# Altium PCB uTCA_MCH_PCB3.pcbdoc (part 13 of 25)
Units mil, origin at the board's own origin, x right, y up, seen from the top; angles counter-clockwise.
Board outline 7110.66 x 2894.12 mil, 12 copper layers (Top Layer, GND1, MidLayer1, PWR1, MidLayer2, GND2, PWR2, MidLayer3, GND3, MidLayer4, PWR3, Bottom Layer), stack 63.15 mil thick; 767 components, 905 nets, 4553 pads, 2832 vias.
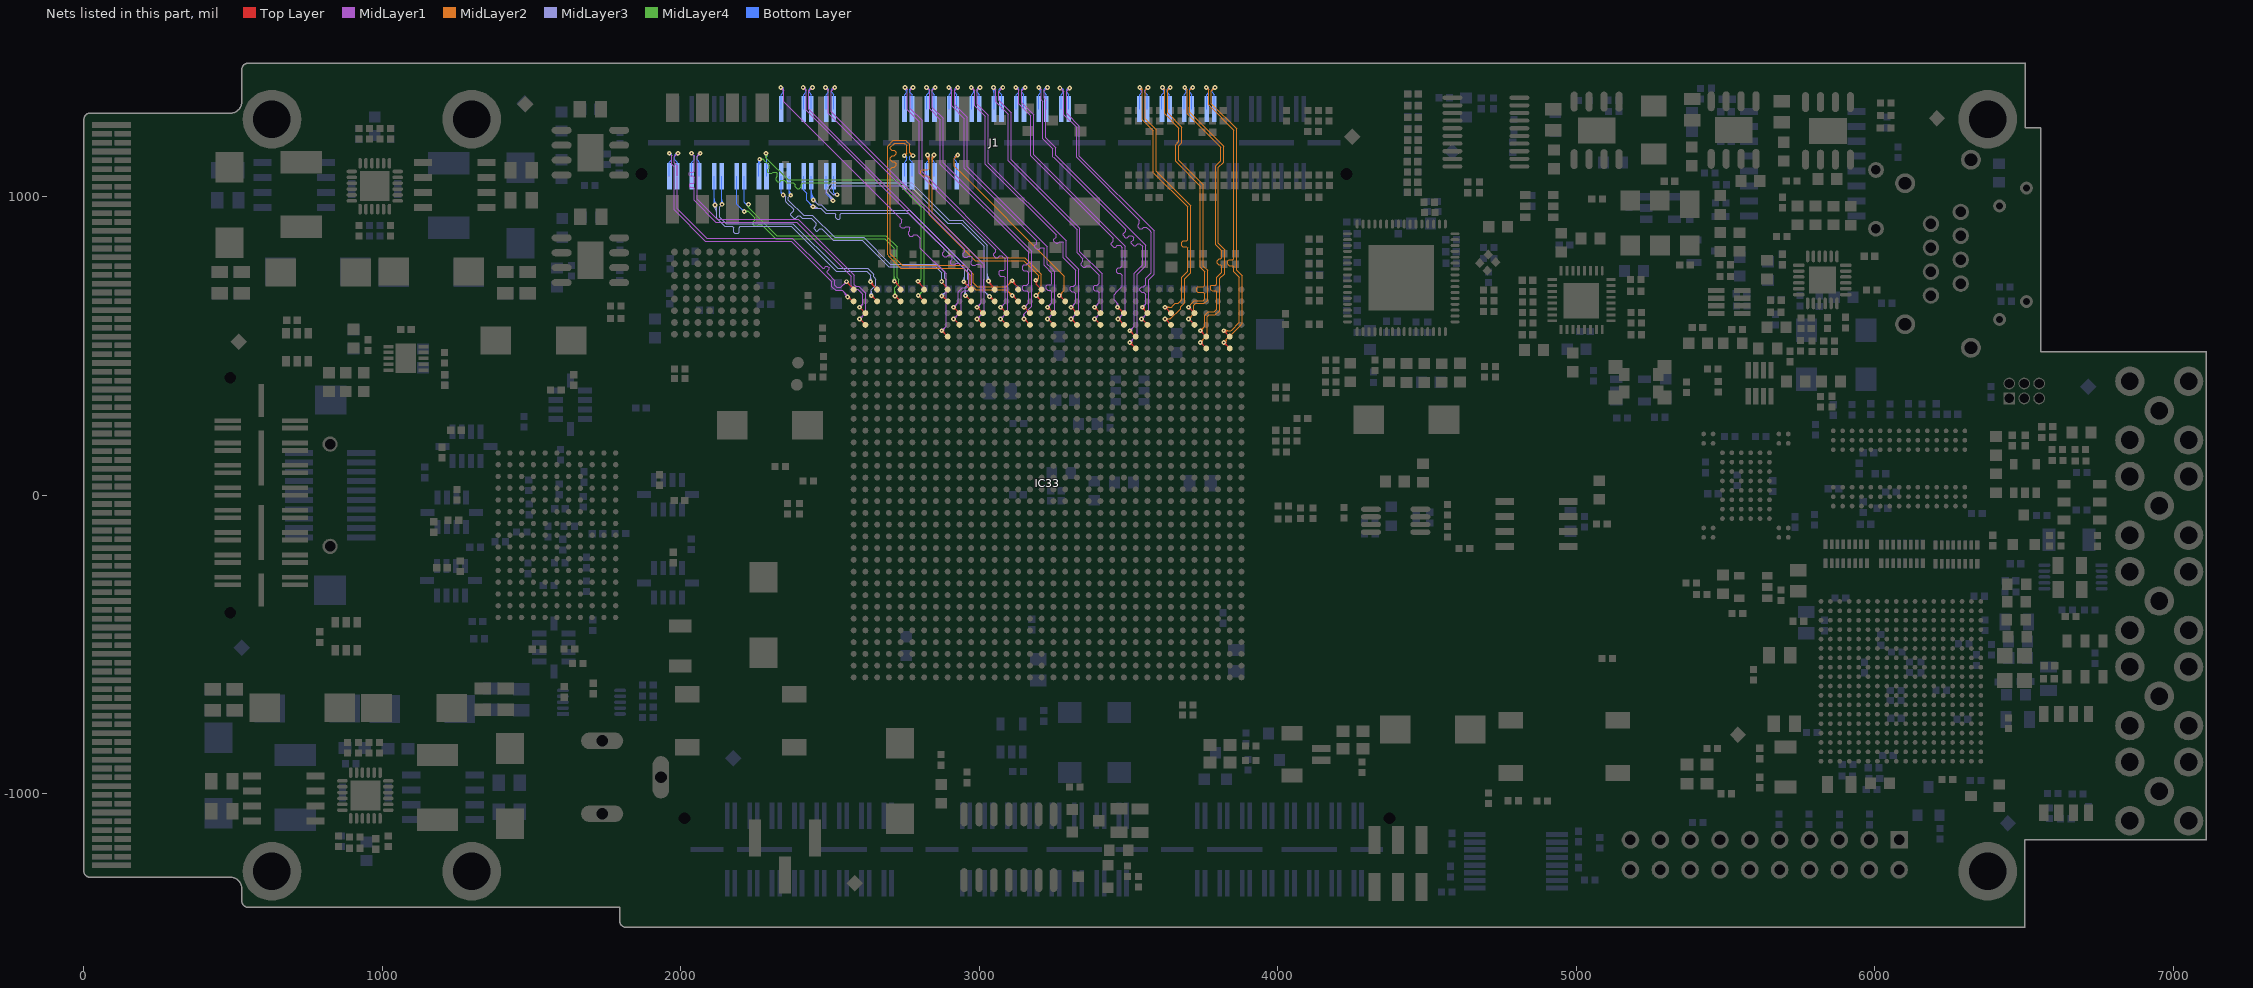
[diagram p23: the nets of this part, all layers, seen from the top]

## Via types
v1: diameter 15.75, hole 5.91, Top Layer to Bottom Layer, tented both sides, 2480 vias
v2: diameter 23.62, hole 11.81, Top Layer to Bottom Layer, tented both sides, 325 vias
v3: diameter 20, hole 10, Top Layer to Bottom Layer, tented both sides, 16 vias
v4: diameter 15.75, hole 7.87, Top Layer to Bottom Layer, tented both sides, 9 vias
v5: diameter 23.62, hole 11.81, Top Layer to Bottom Layer, 1 vias
v6: diameter 15.75, hole 5.91, Top Layer to Bottom Layer, 1 vias

## Nets (pads, with @x,y where several pads share a name; then routed paths per layer and width w, separated by ;. In a path a pad name is that pad's centre, name@x,y a point inside that pad or via, vN(x,y) a via of type N, cw(c..) or ccw(c..) an arc to the next point about the centre after c; other vN are vias at no path point) (continued)
MGTRX113_1_P: IC33.AF5 J1.21 | length 1283.8
  Top Layer w3.94: v1@2874.02,545.28 cw(c2874.02,531.02) 2884.1,541.1 cw(c2894.18,551.18) v1@2879.92,551.18 ; v1(2874.02,551.18) IC33.AF5@2893.7,531.5
  MidLayer1 w3.54: v1(2334.64,1366.14) 2344.58,1356.2 ; v1@2334.85,1360.04 cw(c2335.3,1346.92) 2344.58,1356.2 ; v1@2340.74,1365.93 ccw(c2353.86,1365.48) 2344.58,1356.2 ; v1(2874.02,551.18) 2888.34,565.51 2888.34,741.37 2802.41,827.3 2802.41,860.79 2792.48,870.72 2790.43,872.77 2780.88,872.77 2776.51,868.4 2766.96,868.4 2762.87,872.49 2762.87,882.04 2767.24,886.41 2767.24,895.96 2763.15,900.05 2753.6,900.05 2749.23,895.68 2739.68,895.68 2735.59,899.77 2735.59,909.32 2739.96,913.69 2739.96,923.24 2738.19,925.01 2344.58,1318.62 2344.58,1356.2 ; v1@2874.02,557.28 ccw(c2874.02,572.02) 2884.43,561.6 ccw(c2894.85,551.18) v1@2880.12,551.18
  Bottom Layer w3.94: v1(2334.64,1366.14) 2338.33,1366.14 2343.74,1360.73 ; J1.21@2336.61,1293.9 2336.61,1342.2 2343.74,1349.33 2343.74,1360.73 ; v1@2337.98,1361.26 cw(c2340.54,1357.52) 2343.74,1360.73 ; v1@2340.55,1366.14 ccw(c2345.89,1366.14) 2342.11,1362.36
MGTRX113_2_N: IC33.AE4 J1.27 | length 1236.2
  Top Layer w3.94: v1@2913.39,584.65 cw(c2913.39,570.39) 2923.47,580.47 cw(c2933.55,590.55) v1@2919.29,590.55 ; v1(2913.39,590.55) IC33.AE4@2933.07,570.87
  MidLayer1 w3.54: v1@2434.84,1366.14 cw(c2420.11,1366.14) 2430.52,1355.72 cw(c2440.94,1345.3) v1@2440.94,1360.04 ; v1(2440.94,1366.14) 2429.2,1354.4 2429.2,1293.55 2971.92,750.83 2974.8,747.95 2974.8,698.31 2971.92,695.43 2961.84,685.35 2947.52,685.35 2939.1,676.93 2939.1,616.27 v1(2913.39,590.55) ; v1@2913.39,596.65 ccw(c2913.39,611.39) 2923.8,600.97 ccw(c2934.22,590.55) v1@2919.49,590.55
  Bottom Layer w3.94: 2432.91,1364 cw(c2436.67,1360.23) v1@2439.79,1364.54 ; J1.27@2436.77,1293.9 2436.77,1342.2 2429.64,1349.33 2429.64,1360.73 ; v1@2437.48,1361.35 ccw(c2433.93,1356.44) 2429.64,1360.73 ; v1(2440.94,1366.14) 2435.06,1366.14 2429.64,1360.73
MGTRX113_2_P: IC33.AE3 J1.25 | length 1229.6
  Top Layer w3.94: v1@2913.39,624.02 cw(c2913.39,609.76) 2923.47,619.84 cw(c2933.55,629.92) v1@2919.29,629.92 ; v1(2913.39,629.92) IC33.AE3@2933.07,610.24
  MidLayer1 w3.54: v1(2409.44,1366.14) 2419.36,1356.23 ; v1@2409.66,1360.04 cw(c2410.13,1347) 2419.36,1356.23 ; v1@2415.54,1365.92 ccw(c2428.59,1365.46) 2419.36,1356.23 ; v1(2913.39,629.92) 2929.26,645.8 2929.26,681.01 2943.44,695.19 2957.76,695.19 2964.96,702.39 2964.96,743.87 2934.28,774.55 2932.24,776.59 2922.69,776.59 2918.32,772.22 2908.77,772.22 2904.68,776.31 2904.68,785.86 2909.05,790.23 2909.05,799.78 2904.96,803.87 2895.41,803.87 2891.04,799.5 2881.49,799.5 2877.4,803.59 2877.4,813.14 2881.77,817.51 2881.77,827.06 2879.57,829.26 2419.36,1289.47 2419.36,1356.23 ; v1@2913.39,636.02 ccw(c2913.39,650.76) 2923.8,640.34 ccw(c2934.22,629.92) v1@2919.49,629.92
  Bottom Layer w3.94: v1(2409.44,1366.14) 2413.29,1366.14 2418.7,1360.73 ; J1.25@2411.57,1293.9 2411.57,1342.2 2418.7,1349.33 2418.7,1360.73 ; v1@2412.79,1361.27 cw(c2415.42,1357.44) 2418.7,1360.73 ; v1@2415.35,1366.14 ccw(c2420.31,1366.14) 2416.8,1362.63
MGTRX113_3_N: IC33.AC4 J1.31 | length 1198.3
  Top Layer w3.94: v1@2992.13,584.65 cw(c2992.13,570.39) 3002.21,580.47 cw(c3012.29,590.55) v1@2998.03,590.55 ; v1(2992.13,590.55) IC33.AC4@3011.81,570.87
  MidLayer1 w3.54: v1@2509.64,1366.14 cw(c2494.91,1366.14) 2505.33,1355.72 cw(c2515.74,1345.3) v1@2515.74,1360.04 ; v1(2515.74,1366.14) 2504.2,1354.6 2504.2,1284.02 3016.72,771.5 3016.72,615.15 v1(2992.13,590.55) ; v1@2992.13,596.65 ccw(c2992.13,611.39) 3002.54,600.97 ccw(c3012.96,590.55) v1@2998.23,590.55
  Bottom Layer w3.94: 2507.87,1364 cw(c2511.55,1360.32) v1@2514.59,1364.54 ; J1.31@2511.73,1293.9 2511.73,1342.2 2504.6,1349.33 2504.6,1360.73 ; v1@2512.29,1361.35 ccw(c2508.81,1356.52) 2504.6,1360.73 ; v1(2515.74,1366.14) 2510.02,1366.14 2504.6,1360.73
MGTRX113_3_P: IC33.AC3 J1.29 | length 1193.9
  Top Layer w3.94: v1@2992.13,624.02 cw(c2992.13,609.76) 3002.21,619.84 cw(c3012.29,629.92) v1@2998.03,629.92 ; v1(2992.13,629.92) IC33.AC3@3011.81,610.24
  MidLayer1 w3.54: v1(2484.25,1366.14) 2494.36,1356.03 ; v1@2484.38,1360.04 cw(c2484.67,1346.34) 2494.36,1356.03 ; v1@2490.35,1366.01 ccw(c2504.04,1365.72) 2494.36,1356.03 ; v1(2992.13,629.92) 3006.88,644.68 3006.88,767.42 3002.18,772.12 3000.13,774.17 2990.58,774.17 2986.21,769.8 2976.66,769.8 2972.57,773.89 2972.57,783.44 2976.94,787.81 2976.94,797.36 2972.85,801.45 2963.3,801.45 2958.93,797.08 2949.38,797.08 2945.29,801.17 2945.29,810.72 2950.71,816.15 2950.71,823.59 2494.36,1279.94 2494.36,1356.03 ; v1@2992.13,636.02 ccw(c2992.13,650.76) 3002.54,640.34 ccw(c3012.96,629.92) v1@2998.23,629.92
  Bottom Layer w3.94: v1(2484.25,1366.14) 2488.25,1366.14 2493.67,1360.73 ; J1.29@2486.54,1293.9 2486.54,1342.2 2493.67,1349.33 2493.67,1360.73 ; v1@2487.6,1361.28 cw(c2490.3,1357.37) 2493.67,1360.73 ; v1@2490.15,1366.14 ccw(c2494.73,1366.14) 2491.49,1362.9
MGTRX114_0_N: IC33.AA4 J1.35 | length 1105.3
  Top Layer w3.94: v1@3070.87,584.65 cw(c3070.87,570.39) 3080.95,580.47 cw(c3091.03,590.55) v1@3076.77,590.55 ; v1(3070.87,590.55) IC33.AA4@3090.55,570.87
  MidLayer1 w3.54: v1@2771.51,1365.32 cw(c2762.2,1364.07) 2768.84,1357.43 ; v1@2776.74,1360.09 ccw(c2775.48,1350.79) 2768.84,1357.43 ; v1(2777.55,1366.14) 2768.84,1357.43 ; v1(3070.87,590.55) 3095.68,615.37 3095.68,796 2808.37,1083.31 2808.37,1255.65 2768.84,1295.18 2768.84,1357.43 ; v1@3070.87,596.65 ccw(c3070.87,611.39) 3081.28,600.97 ccw(c3091.7,590.55) v1@3076.97,590.55
  Bottom Layer w3.94: v1@2774.15,1361.32 ccw(c2771.06,1356.95) 2767.28,1360.73 ; J1.35@2774.41,1293.9 2774.41,1342.2 2767.28,1349.33 2767.28,1360.73 ; v1(2777.55,1366.14) 2772.7,1366.14 2767.28,1360.73
MGTRX114_0_P: IC33.AA3 J1.33 | length 1132.8
  Top Layer w3.94: v1@3070.87,624.02 cw(c3070.87,609.76) 3080.95,619.84 cw(c3091.03,629.92) v1@3076.77,629.92 ; v1(3070.87,629.92) IC33.AA3@3090.55,610.24
  MidLayer1 w3.54: v1(2750.93,1366.14) 2759,1358.07 ; v1@2752.12,1360.16 cw(c2753.61,1352.69) 2759,1358.07 ; v1@2756.91,1364.95 ccw(c2764.38,1363.46) 2759,1358.07 ; v1(3070.87,629.92) 3085.84,644.9 3085.84,730.35 3081.89,734.3 3070.34,734.3 3066.15,738.49 3066.15,749.84 3069.91,753.59 3081.53,753.59 3085.84,757.9 3085.84,791.92 3075.19,802.57 3068.93,802.57 3061.37,795.01 3054.91,795.01 3047.76,802.16 3047.76,808.68 3054.69,815.61 3054.69,823.07 2798.53,1079.23 2798.53,1251.57 2759,1291.1 2759,1358.07 ; v1@3070.87,636.02 ccw(c3070.87,650.76) 3081.28,640.34 ccw(c3091.7,629.92) v1@3076.97,629.92
  Bottom Layer w3.94: v1@2748.46,1360.78 cw(c2742.8,1348.48) 2756.34,1348.48 ; J1.33@2749.21,1293.9 2749.21,1342.2 2756.34,1349.33 2756.34,1360.73 v1(2750.93,1366.14) ; v1@2750.11,1364.35 cw(c2745.63,1354.62) 2756.34,1354.62
MGTRX114_1_N: IC33.W4 J1.39 | length 1111.3
  Top Layer w3.94: v1@3149.61,584.65 cw(c3149.61,570.39) 3159.69,580.47 cw(c3169.77,590.55) v1@3155.51,590.55 ; v1(3149.61,590.55) IC33.W4@3169.29,570.87
  MidLayer1 w3.54: v1@2846.26,1365.78 cw(c2834.18,1365.08) 2842.74,1356.52 ; v1@2852,1360.05 ccw(c2851.3,1347.97) 2842.74,1356.52 ; v1(2852.36,1366.14) 2842.74,1356.52 ; v1@3145.29,594.87 ccw(c3136,604.16) 3149.14,604.16 ; 3149.14,606.41 ccw(c3165.46,606.41) v1@3153.92,594.87 ; v1(3149.61,590.55) 3149.14,591.02 3149.14,606.67 3174.92,632.45 3174.92,817.37 2878.91,1113.38 2878.91,1262.68 2842.74,1298.85 2842.74,1356.52
  Bottom Layer w3.94: v1@2848.96,1361.31 ccw(c2845.94,1357.03) 2842.24,1360.73 ; J1.39@2849.37,1293.9 2849.37,1342.2 2842.24,1349.33 2842.24,1360.73 ; v1(2852.36,1366.14) 2847.66,1366.14 2842.24,1360.73
MGTRX114_1_P: IC33.W3 J1.37 | length 1125.3
  Top Layer w3.94: v1@3149.61,624.02 cw(c3149.61,609.76) 3159.69,619.84 cw(c3169.77,629.92) v1@3155.51,629.92 ; v1(3149.61,629.92) IC33.W3@3169.29,610.24
  MidLayer1 w3.54: v1(2822.83,1366.14) 2832.9,1356.07 ; v1@2822.98,1360.04 cw(c2823.31,1346.48) 2832.9,1356.07 ; v1@2828.93,1365.99 ccw(c2842.48,1365.66) 2832.9,1356.07 ; v1(3149.61,629.92) 3165.08,645.39 3165.08,677.73 3158.33,684.49 3149.44,684.49 3145.4,688.53 3145.4,699.91 3149.27,703.78 3158.33,703.78 3165.08,710.53 3165.08,745.6 3158.33,752.36 3148.47,752.36 3145.4,755.43 3145.4,767.57 3149.48,771.65 3158.33,771.65 3165.08,778.4 3165.08,813.29 2869.07,1109.3 2869.07,1258.6 2832.9,1294.77 2832.9,1356.07 ; v1@3149.61,636.02 ccw(c3149.61,650.76) 3160.02,640.34 ccw(c3170.44,629.92) v1@3155.71,629.92
  Bottom Layer w3.94: v1(2822.83,1366.14) 2825.89,1366.14 2831.3,1360.73 ; J1.37@2824.17,1293.9 2824.17,1342.2 2831.3,1349.33 2831.3,1360.73 ; v1@2826.12,1361.23 cw(c2828.4,1357.83) 2831.3,1360.73 ; v1@2828.73,1366.14 ccw(c2835.59,1366.14) 2830.74,1361.29
MGTRX114_2_N: IC33.U4 J1.43 | length 1114
  Top Layer w3.94: v1@3228.35,584.65 cw(c3228.35,570.39) 3238.43,580.47 cw(c3248.51,590.55) v1@3234.25,590.55 ; v1(3228.35,590.55) IC33.U4@3248.03,570.87
  MidLayer1 w3.54: v1@2921.06,1366.02 cw(c2907.24,1365.76) 2917.01,1355.99 ; v1@2927.04,1360.04 ccw(c2926.78,1346.22) 2917.01,1355.99 ; v1(2927.16,1366.14) 2917.01,1355.99 ; v1(3228.35,590.55) 3253.08,615.29 3253.08,748.64 3238.45,763.27 3227.38,774.34 3227.38,831.7 2959.31,1099.77 2959.31,1265.96 2917.01,1308.26 2917.01,1355.99 ; v1@3228.35,596.65 ccw(c3228.35,611.39) 3238.76,600.97 ccw(c3249.18,590.55) v1@3234.45,590.55
  Bottom Layer w3.94: v1@2923.77,1361.3 ccw(c2920.83,1357.1) 2917.2,1360.73 ; J1.43@2924.33,1293.9 2924.33,1342.2 2917.2,1349.33 2917.2,1360.73 ; v1(2927.16,1366.14) 2922.62,1366.14 2917.2,1360.73
MGTRX114_2_P: IC33.U3 J1.41 | length 1126.1
  Top Layer w3.94: v1@3228.35,624.02 cw(c3228.35,609.76) 3238.43,619.84 cw(c3248.51,629.92) v1@3234.25,629.92 ; v1(3228.35,629.92) IC33.U3@3248.03,610.24
  MidLayer1 w3.54: v1(2897.63,1366.14) 2907.17,1356.6 ; v1@2898.02,1360.05 cw(c2898.79,1348.22) 2907.17,1356.6 ; v1@2903.72,1365.75 ccw(c2915.55,1364.98) 2907.17,1356.6 ; v1(3228.35,629.92) 3243.24,644.81 3243.24,680.77 3237.39,686.62 3228.36,686.62 3223.56,691.43 3223.56,702.45 3227.02,705.91 3240.03,705.91 3243.24,709.12 3243.24,744.56 3217.54,770.26 3217.54,827.62 3215.49,829.67 3205.94,829.67 3200.21,823.94 3193.38,823.94 3186,831.32 3186,837.01 3192.3,843.31 3192.3,852.86 2949.47,1095.69 2949.47,1261.88 2907.17,1304.18 2907.17,1356.6 ; v1@3228.35,636.02 ccw(c3228.35,650.76) 3238.76,640.34 ccw(c3249.18,629.92) v1@3234.45,629.92
  Bottom Layer w3.94: v1(2897.63,1366.14) 2900.85,1366.14 2906.26,1360.73 ; J1.41@2899.13,1293.9 2899.13,1342.2 2906.26,1349.33 2906.26,1360.73 ; v1@2900.93,1361.24 cw(c2903.29,1357.75) 2906.26,1360.73 ; v1@2903.54,1366.14 ccw(c2910.02,1366.14) 2905.44,1361.56
MGTRX114_3_N: IC33.R4 J1.47 | length 1108.5
  Top Layer w3.94: v1@3307.09,584.65 cw(c3307.09,570.39) 3317.17,580.47 cw(c3327.25,590.55) v1@3312.99,590.55 ; v1(3307.09,590.55) IC33.R4@3326.77,570.87
  MidLayer1 w3.54: v1@2995.95,1365.07 cw(c2987.93,1363.64) 2993.69,1357.87 ; v1@3000.89,1360.13 ccw(c2999.46,1352.1) 2993.69,1357.87 ; v1(3001.96,1366.14) 2993.69,1357.87 ; v1(3307.09,590.55) 3333.37,616.83 3333.37,757.04 3290.86,799.55 3290.86,852.07 3030.05,1112.88 3030.05,1273.39 2993.69,1309.74 2993.69,1357.87 ; v1@3307.09,596.65 ccw(c3307.09,611.39) 3317.5,600.97 ccw(c3327.92,590.55) v1@3313.19,590.55
  Bottom Layer w3.94: v1@2997.57,1366.14 2992.16,1360.73 ; v1@2997.58,1366.14 v1(3001.96,1366.14) ; v1@2998.58,1361.3 ccw(c2995.71,1357.18) 2992.16,1360.73 ; J1.47@2999.29,1293.9 2999.29,1342.2 2992.16,1349.33 2992.16,1360.73
MGTRX114_3_P: IC33.R3 J1.45 | length 1131
  Top Layer w3.94: v1@3307.09,624.02 cw(c3307.09,609.76) 3317.17,619.84 cw(c3327.25,629.92) v1@3312.99,629.92 ; v1(3307.09,629.92) IC33.R3@3326.77,610.24
  MidLayer1 w3.54: v1@2972.44,1360.04 cw(c2972.44,1345.3) 2982.85,1355.72 cw(c2993.27,1366.14) v1@2978.54,1366.14 ; v1(2972.44,1366.14) 2983.85,1354.72 2983.85,1305.67 3020.21,1269.31 3020.21,1108.8 3023.14,1105.87 3256.87,872.14 3256.87,864.77 3249.41,857.31 3249.41,851.76 3257.55,843.62 3263,843.62 3269.42,850.04 3278.97,850.04 3281.02,847.99 3281.02,795.47 3323.53,752.96 3323.53,707.51 3316.78,700.76 3307.14,700.76 3303.84,697.46 3303.84,686.32 3308.69,681.47 3316.78,681.47 3323.53,674.71 3323.53,646.36 v1(3307.09,629.92) ; v1@3307.09,636.02 ccw(c3307.09,650.76) 3317.5,640.34 ccw(c3327.92,629.92) v1@3313.19,629.92
  Bottom Layer w3.94: v1(2972.44,1366.14) 2975.81,1366.14 2981.22,1360.73 ; J1.45@2974.09,1293.9 2974.09,1342.2 2981.22,1349.33 2981.22,1360.73 ; v1@2975.75,1361.25 cw(c2978.17,1357.67) 2981.22,1360.73 ; v1@2978.34,1366.14 ccw(c2984.44,1366.14) 2980.13,1361.83
MGTRX115_0_N: IC33.N4 J1.51 | length 1132.9
  Top Layer w3.94: v1@3385.83,584.65 cw(c3385.83,570.39) 3395.91,580.47 cw(c3405.99,590.55) v1@3391.73,590.55 ; v1(3385.83,590.55) IC33.N4@3405.51,570.87
  MidLayer1 w3.54: v1@3072.63,1366.14 cw(c3057.9,1366.14) 3068.32,1355.72 cw(c3078.73,1345.3) v1@3078.73,1360.04 ; v1(3078.73,1366.14) 3064.8,1352.2 3064.8,1322.59 3106.47,1280.92 3106.47,1124.69 3336.95,894.21 3336.95,816.51 3412.03,741.43 3412.03,616.76 v1(3385.83,590.55) ; v1@3385.83,596.65 ccw(c3385.83,611.39) 3396.24,600.97 ccw(c3406.66,590.55) v1@3391.93,590.55
  Bottom Layer w3.94: 3070.38,1363.98 cw(c3074.31,1360.06) v1@3077.58,1364.55 ; J1.51@3074.25,1293.9 3074.25,1342.2 3067.12,1349.33 3067.12,1360.73 ; v1@3075.26,1361.36 ccw(c3071.56,1356.29) 3067.12,1360.73 ; v1(3078.73,1366.14) 3072.54,1366.14 3067.12,1360.73
MGTRX115_0_P: IC33.N3 J1.49 | length 1117.9
  Top Layer w3.94: v1@3385.83,624.02 cw(c3385.83,609.76) 3395.91,619.84 cw(c3405.99,629.92) v1@3391.73,629.92 ; v1(3385.83,629.92) IC33.N3@3405.51,610.24
  MidLayer1 w3.54: v1(3047.24,1366.14) 3054.96,1358.42 3054.96,1318.51 3096.63,1276.84 3096.63,1120.61 3327.11,890.13 3327.11,812.29 ; 3327.11,812.43 3346.66,792.88 3346.66,783.33 3340.75,777.41 3340.75,770.95 3347.38,764.32 3354.94,764.32 3360.31,769.69 3369.85,769.69 3402.19,737.35 3402.19,710.86 3395.44,704.11 3386.31,704.11 3382.51,700.3 3382.51,688.7 3386.39,684.82 3395.44,684.82 3402.19,678.06 3402.19,646.28 v1(3385.83,629.92) ; v1@3385.83,636.02 ccw(c3385.83,650.76) 3396.24,640.34 ccw(c3406.66,629.92) v1@3391.93,629.92
  Bottom Layer w3.94: v1@3043.06,1361.96 cw(c3028.59,1347.49) 3049.06,1347.49 ; v1@3045.85,1364.75 cw(c3038.1,1357) 3049.06,1357 ; J1.49@3049.06,1293.9 v1@3049.06,1364.61 ; 3049.06,1356.27 cw(c3057.11,1356.27) v1@3051.41,1361.96
MGTRX115_1_N: IC33.L4 J1.55 | length 1131.4
  Top Layer w3.94: v1@3464.57,584.65 cw(c3464.57,570.39) 3474.65,580.47 cw(c3484.73,590.55) v1@3470.47,590.55 ; v1(3464.57,590.55) IC33.L4@3484.25,570.87
  MidLayer1 w3.54: 3142.41,1355.43 cw(c3153.54,1344.3) v1@3153.54,1360.04 ; 3143.42,1356.44 ccw(c3133.71,1366.14) v1@3147.43,1366.14 ; v1(3153.54,1366.14) 3153.12,1366.14 3141.44,1354.46 3141.44,1315.57 3181.69,1275.32 3181.69,1141.28 3489.05,833.92 3489.05,615.04 v1(3464.57,590.55) ; v1@3464.57,596.65 ccw(c3464.57,611.39) 3474.98,600.97 ccw(c3485.4,590.55) v1@3470.67,590.55
  Bottom Layer w3.94: 3145.34,1363.99 cw(c3149.19,1360.15) v1@3152.38,1364.55 ; J1.55@3149.21,1293.9 3149.21,1342.2 3142.08,1349.33 3142.08,1360.73 ; v1@3150.07,1361.36 ccw(c3146.45,1356.37) 3142.08,1360.73 ; v1(3153.54,1366.14) 3147.5,1366.14 3142.08,1360.73
MGTRX115_1_P: IC33.L3 J1.53 | length 1142.3
  Top Layer w3.94: v1@3462.59,624.01 cw(c3462.59,604.99) 3476.05,618.44 ; v1@3462.59,627.95 cw(c3462.59,618.43) 3469.33,625.16 ; v1@3464.57,629.92 IC33.L3@3484.25,610.24 ; v1@3468.5,629.92 ccw(c3477.98,629.92) 3471.28,623.21
  MidLayer1 w3.54: v1(3122.04,1366.14) 3131.6,1356.58 ; v1@3122.42,1360.05 cw(c3123.17,1348.16) 3131.6,1356.58 ; v1@3128.13,1365.76 ccw(c3140.02,1365.01) 3131.6,1356.58 ; v1@3458.61,634.54 ccw(c3451.13,643.23) 3462.59,643.23 ; v1(3462.59,629.92) 3462.59,643.23 ; v1@3466.57,634.54 cw(c3474.06,643.23) 3462.59,643.23 ; 3131.6,1356.58 3131.6,1311.49 3171.85,1271.24 3171.85,1137.2 3448.87,860.18 3448.87,850.63 3442.57,844.32 3442.57,838.64 3450.46,830.75 3456.28,830.75 3462.52,836.99 3472.06,836.99 3479.21,829.84 3479.21,769.33 3472.46,762.58 3464.75,762.58 3459.52,757.36 3459.52,747.05 3463.28,743.29 3472.46,743.29 3479.21,736.53 3479.21,699.78 3462.59,683.16 3462.54,683.16 3451.6,672.22 3451.6,654.22 3462.59,643.23
  Bottom Layer w3.94: v1(3122.04,1366.14) 3125.73,1366.14 3131.15,1360.73 ; J1.53@3124.02,1293.9 3124.02,1342.2 3131.15,1349.33 3131.15,1360.73 ; v1@3125.38,1361.27 cw(c3127.94,1357.52) 3131.15,1360.73 ; v1@3127.95,1366.14 ccw(c3133.29,1366.14) 3129.51,1362.36
MGTRX115_2_N: IC33.K6 J1.59 | length 1217.6
  Top Layer w3.94: v1@3503.94,505.91 cw(c3503.94,491.65) 3514.02,501.73 cw(c3524.1,511.81) v1@3509.84,511.81 ; v1(3503.94,511.81) IC33.K6@3523.62,492.13
  MidLayer1 w3.54: v1@3222.24,1366.14 cw(c3207.51,1366.14) 3217.92,1355.72 cw(c3228.34,1345.3) v1@3228.34,1360.04 ; v1(3228.34,1366.14) 3217.13,1354.93 3217.13,1329.35 3222.87,1323.61 3222.87,1197.82 3255.88,1164.81 3255.88,1138.68 3557.02,837.54 3557.02,768.85 3528.34,740.17 3528.34,536.22 v1(3503.94,511.81) ; v1@3503.94,517.91 ccw(c3503.94,532.65) 3514.35,522.23 ccw(c3524.77,511.81) v1@3510.04,511.81
  Bottom Layer w3.94: 3220.31,1364 cw(c3224.07,1360.24) v1@3227.19,1364.54 ; J1.59@3224.17,1293.9 3224.17,1342.2 3217.04,1349.33 3217.04,1360.73 ; v1@3224.88,1361.35 ccw(c3221.33,1356.44) 3217.04,1360.73 ; v1(3228.34,1366.14) 3222.46,1366.14 3217.04,1360.73
MGTRX115_2_P: IC33.K5 J1.57 | length 1244.9
  Top Layer w3.94: v1@3503.94,545.28 cw(c3503.94,531.02) 3514.02,541.1 cw(c3524.1,551.18) v1@3509.84,551.18 ; v1(3503.94,551.18) IC33.K5@3523.62,531.5
  MidLayer1 w3.54: v1(3198.81,1366.14) 3207.29,1357.66 ; v1@3199.76,1360.11 cw(c3201.12,1351.5) 3207.29,1357.66 ; v1@3204.84,1365.19 ccw(c3213.45,1363.83) 3207.29,1357.66 ; v1(3503.94,551.18) 3518.5,565.74 3518.5,744.25 3547.18,772.92 3547.18,833.46 3537.45,843.19 3530.66,843.19 3523.49,836.02 3516.78,836.02 3509.34,843.46 3509.34,849.15 3516.96,856.77 3516.96,863.68 3510.63,870.01 3502.91,870.01 3496.2,863.3 3489.5,863.3 3482.06,870.74 3482.06,876.44 3490.14,884.52 3490.14,890.5 3248.92,1131.72 3246.04,1134.6 3246.04,1160.73 3215.91,1190.86 3213.03,1193.74 3213.03,1318.73 3207.29,1324.47 3207.29,1357.66 ; v1@3503.94,557.28 ccw(c3503.94,572.02) 3514.35,561.6 ccw(c3524.77,551.18) v1@3510.04,551.18
  Bottom Layer w3.94: v1@3196.94,1360.54 cw(c3192.69,1347.81) 3206.11,1347.81 ; v1@3198.19,1364.27 cw(c3194.52,1353.28) 3206.11,1353.28 ; J1.57@3198.98,1293.9 3198.98,1342.2 3206.11,1349.33 3206.11,1360.73 v1@3200.69,1366.14 ; v1@3199.44,1368.01 cw(c3196.34,1358.75) 3206.11,1358.75
MGTRX115_3_N: IC33.J4 J1.63 | length 1109.8
  Top Layer w3.94: v1@3543.31,584.65 cw(c3543.31,570.39) 3553.39,580.47 cw(c3563.47,590.55) v1@3549.21,590.55 ; v1(3543.31,590.55) IC33.J4@3562.99,570.87
  MidLayer1 w3.54: v1@3297.04,1364.17 cw(c3282.31,1364.17) 3292.73,1353.75 cw(c3303.14,1343.34) v1@3303.14,1358.07 ; v1(3303.14,1364.17) 3292.69,1353.72 3292.69,1278.92 3335.3,1236.31 3335.3,1135.96 3343.72,1127.54 3343.72,1127.22 3585.04,885.9 3585.04,741.02 3566.63,722.61 3566.63,613.88 v1(3543.31,590.55) ; v1@3543.31,596.65 ccw(c3543.31,611.39) 3553.72,600.97 ccw(c3564.14,590.55) v1@3549.41,590.55
  Bottom Layer w3.94: 3295.28,1362.03 cw(c3298.95,1358.36) v1@3301.99,1362.57 ; J1.63@3299.13,1293.9 3299.13,1342.2 3292,1349.33 3292,1358.76 ; v1@3299.69,1359.38 ccw(c3296.21,1354.55) 3292,1358.76 ; v1(3303.14,1364.17) 3297.42,1364.17 3292,1358.76
MGTRX115_3_P: IC33.J3 J1.61 | length 1126.3
  Top Layer w3.94: v1@3546,624.09 cw(c3546,616.53) 3551.35,621.88 ; v1(3546,630) 3543.39,630 3543.31,629.92 IC33.J3@3562.99,610.24 ; v1@3547.97,630 ccw(c3559.41,630) 3551.32,621.91 ; v1@3551.91,630 ccw(c3572.85,630) IC33.J3@3558.04,615.19
  MidLayer1 w3.54: v1@3269.68,1358.07 cw(c3269.68,1341.38) 3281.48,1353.18 ; v1(3269.68,1364.17) 3270.49,1364.17 3282.85,1351.81 3282.85,1274.84 3325.46,1232.23 3325.46,1131.89 3333.88,1123.47 3333.88,1123.14 3531.72,925.31 3536.32,920.7 3536.32,911.15 3531.95,906.78 3531.95,897.23 3536.04,893.14 3545.59,893.14 3549.96,897.51 3559.51,897.51 3568.38,888.64 3575.2,881.82 3575.2,881.6 3575.2,862.31 3575.2,852.66 3575.2,745.1 3556.79,726.69 3556.79,710.09 3556.79,705.79 3550.04,699.04 3543.86,699.04 3537.1,692.28 3537.1,686.5 3543.86,679.75 3550.04,679.75 3556.79,672.99 3556.79,670.1 3556.79,640.79 v1(3546,630) ; v1@3275.78,1364.17 ccw(c3288.56,1364.17) 3279.52,1355.13 ; v1@3546,636.1 ccw(c3546,650.83) 3556.42,640.42 ccw(c3566.83,630) v1@3552.1,630
  Bottom Layer w3.94: v1(3269.68,1364.17) 3275.65,1364.17 3281.07,1358.76 ; v1@3270.83,1362.58 cw(c3273.99,1358.21) 3277.8,1362.02 ; v1@3273.14,1359.39 cw(c3276.74,1354.43) 3281.07,1358.76 ; J1.61@3273.94,1293.9 3273.94,1342.2 3281.07,1349.33 3281.07,1358.76
MGTRX116_0_N: IC33.G4 J1.67 | length 1075.6
  Top Layer w3.94: v1@3622.05,584.65 cw(c3622.05,570.39) 3632.13,580.47 cw(c3642.21,590.55) v1@3627.95,590.55 ; v1(3622.05,590.55) IC33.G4@3641.73,570.87
  MidLayer2 w3.54: v1@3558.86,1365.73 cw(c3547.12,1364.95) 3555.44,1356.63 ; v1@3564.55,1360.05 ccw(c3563.77,1348.31) 3555.44,1356.63 ; v1(3564.95,1366.14) 3555.44,1356.63 ; v1(3622.05,590.55) 3640.14,590.55 3674.37,624.78 3674.37,631.06 3687.39,644.09 3687.39,725.47 3707.47,745.55 3707.47,969.83 3592.42,1084.88 3592.42,1224.41 3555.44,1261.39 3555.44,1356.63 ; v1@3626.36,586.24 cw(c3636.78,575.82) 3636.78,590.55 cw(c3636.78,605.28) v1@3626.36,594.87
  Bottom Layer w3.94: 3555.48,1357.53 ccw(c3546.87,1366.14) v1@3559.05,1366.14 ; v1@3560.09,1362.14 3554.68,1356.73 ; J1.67@3561.81,1293.9 3561.81,1342.2 3554.68,1349.33 3554.68,1356.73 ; v1@3564.42,1360.26 ccw(c3563.32,1348.09) 3554.68,1356.73